# KiCad board M3DU_BoardV3_2.kicad_pcb (continued)
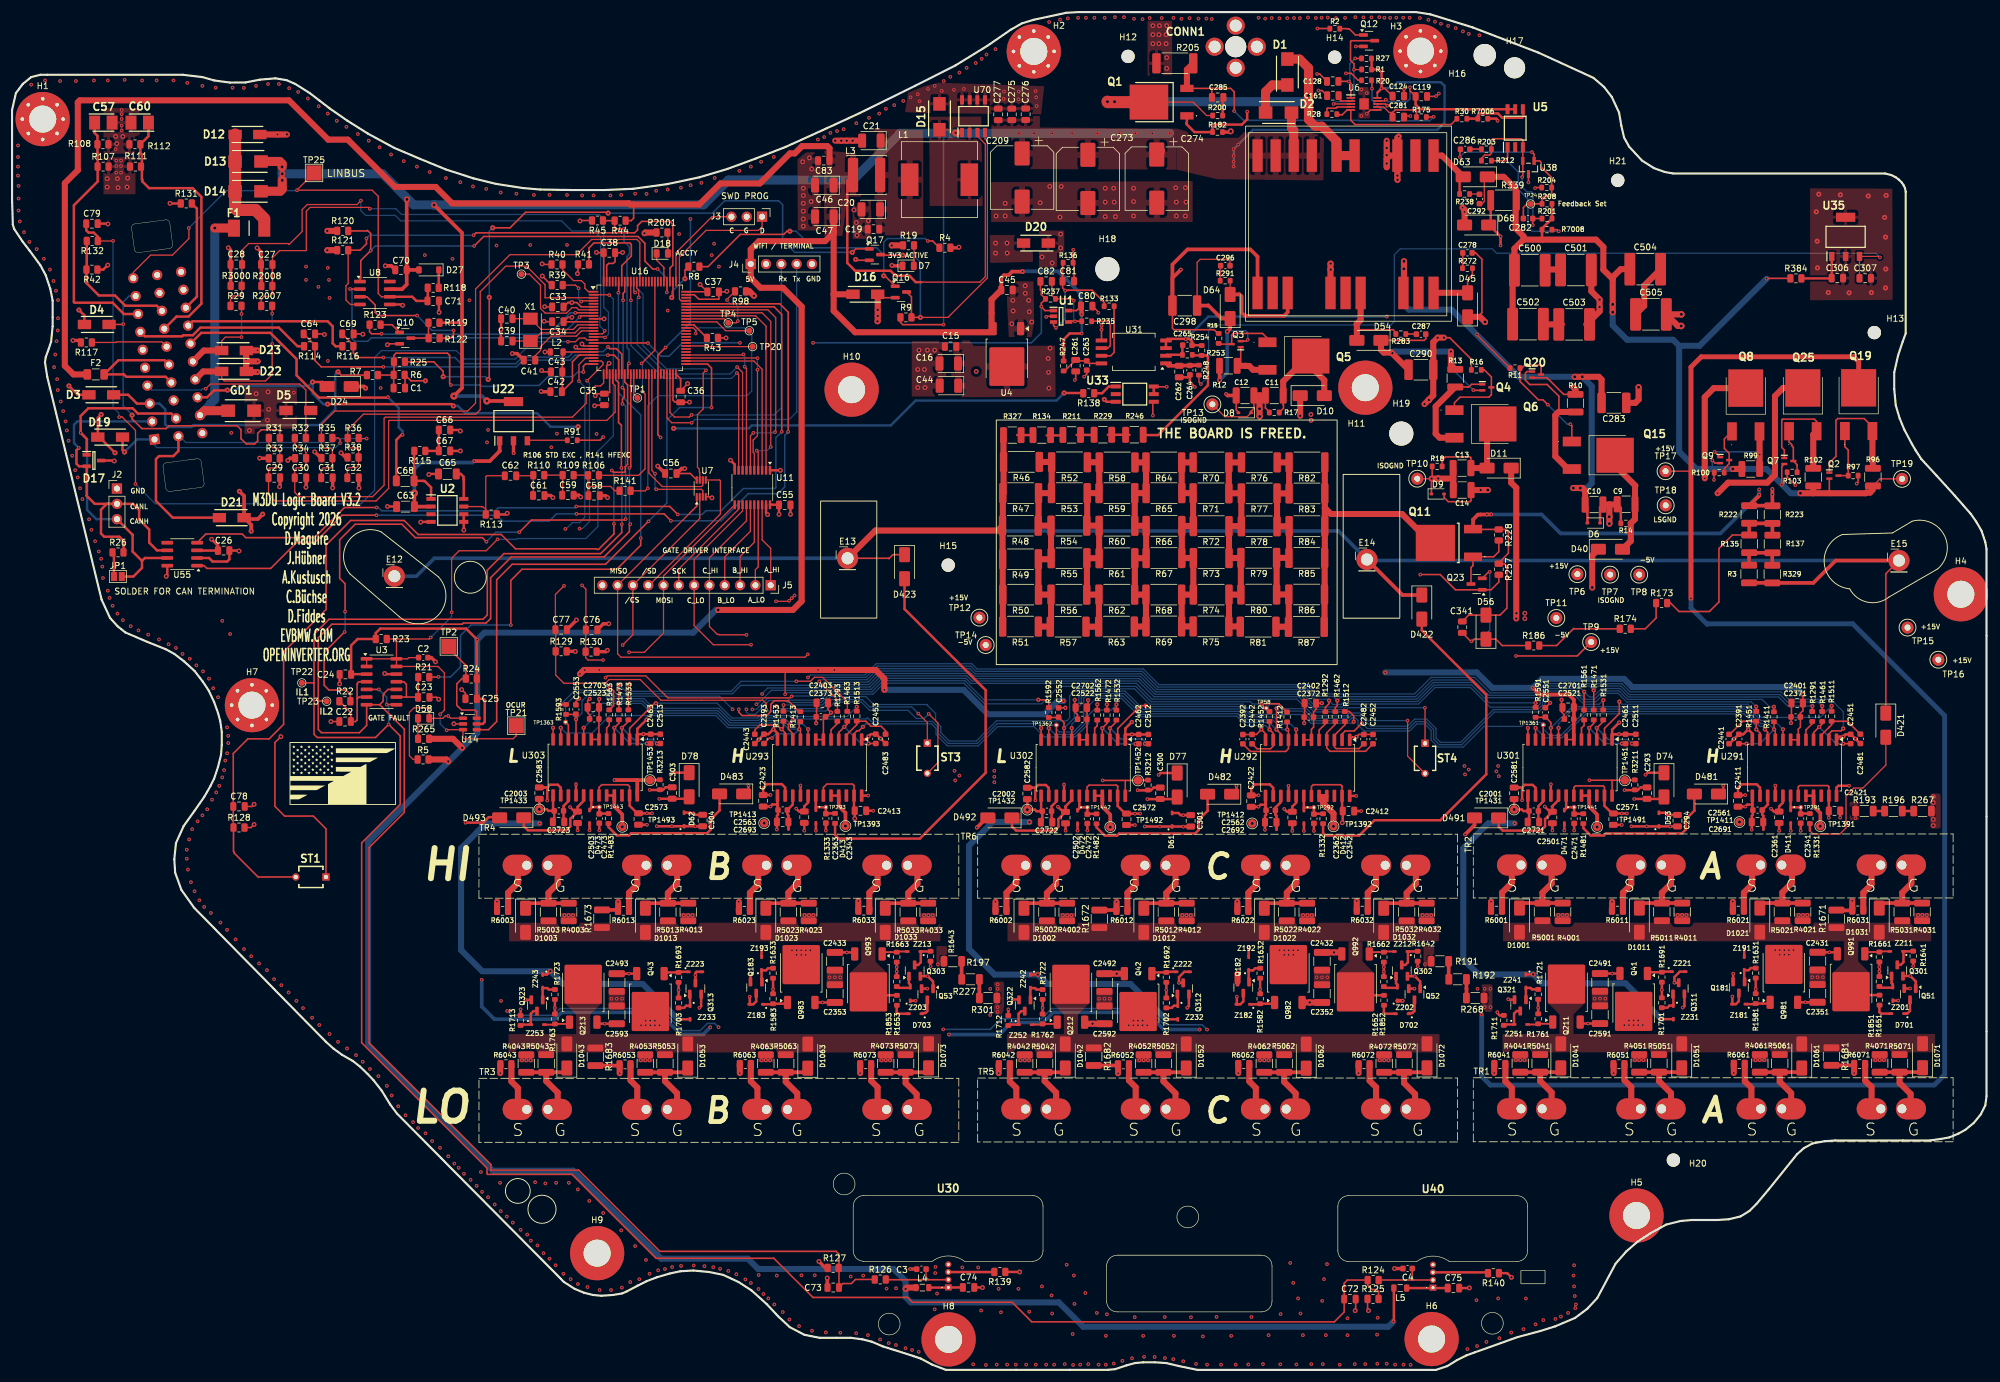
[diagram p0: board, top side]
## Routing (per net, layer and track width the routed paths; a pad name or vN(x,y) marks a point on that pad's centre or on a via; arc(x,y) is an arc through that point) (continued)
Net-(R134-Pad1): length 2.6
  Top w0.4: 169.34,155.2 166.78,155.2
Net-(R134-Pad2): length 2.6
  Top w0.4: 174.28,155.15 171.68,155.15
Net-(R135-Pad1): length 32.4
  Top w0.25: R135.1 285.45,138.61 283.2,136.36 283.2,127.49 281.63,125.91 276.58,125.91 275.18,127.31 R173.2
  Top w0.6: R137.1 R223.2 288.26,140.53 ; R135.1 R222.2
Net-(R135-Pad2): length 7.9
  Top w0.6: R329.1 292.06,135.63 ; R137.2 288.26,135.66 ; R3.1 288.21,135.66
Net-(R173-Pad1): length 7.4
  Top w0.25: R173.1 272.79,124.85 270.98,123.04 R174.2
Net-(R174-Pad1): length 14.6
  Top w0.25: R186.2 256.28,120.26 259.1,123.09 259.15,123.04 R174.1
Net-(R191-Pad2): length 3
  Top w0.6: R191.2 238.37,64.87
Net-(R192-Pad2): length 3.1
  Top w0.6: 241.33,61.76 241.33,63.27 241.32,63.28 R192.2
Net-(R193-Pad2): length 1.9
  Top w0.4: R196.1 R193.2
Net-(R196-Pad2): length 1.9
  Top w0.4: R267.1 R196.2
Net-(R197-Pad2): length 3
  Top w0.6: R197.2 157.55,64.87
Net-(R211-Pad2): length 2.9
  Top w0.4: 179.51,155.22 176.64,155.22
Net-(R227-Pad2): length 3.1
  Top w0.6: 160.5,61.76 160.5,63.27 160.49,63.28 R227.2
Net-(R229-Pad1): length 3.6
  Top w0.4: 181.82,155.25 185.39,155.25
Net-(R246-Pad1): length 21.4
  Top w0.4: 195.93,168.42 R254.1 198.16,168.42 198.43,168.15 198.43,163.48 190.15,155.2 187.73,155.2
Net-(TR1-Source1): length 8.5
  Top w0.6: 248.85,44.81 250.32,43.33
  Top w1: 248.85,44.81 248.85,46.84 247.78,47.91 R6041.2
Net-(TR1-Source2): length 8.5
  Top w0.6: 268.66,44.86 270.18,43.33
  Top w1: 268.66,44.86 268.66,46.96 267.54,48.08 R6051.2
Net-(TR1-Source3): length 8.6
  Top w0.6: 288.6,44.86 290.12,43.33
  Top w1: 288.6,44.86 288.6,46.84 287.5,47.93 R6061.2
Net-(TR1-Source4): length 8.5
  Top w0.6: 308.54,44.86 310.06,43.33
  Top w1: R6071.2 307.47,48.03 308.54,46.96 308.54,44.86
Net-(TR2-Source1): length 8.9
  Top w0.6: 248.85,82.28 250.37,83.81
  Top w1: 248.85,82.28 248.85,80.87 247.22,79.25 R6001.2
Net-(TR2-Source2): length 8.8
  Top w0.6: 268.66,82.28 270.18,83.81
  Top w1: 268.66,82.28 268.66,80.62 267.28,79.25 R6011.2
Net-(TR2-Source3): length 6.7
  Top w1: R6021.2 287.35,79.25 288.72,80.62 288.72,82.41
Net-(TR2-Source4): length 8.7
  Top w0.6: 308.54,82.28 310.06,83.81
  Top w1: R6031.2 307.16,79.25 308.54,80.62 308.54,82.28
Net-(TR3-Source1): length 8.5
  Top w0.6: 83.92,44.78 85.4,43.31
  Top w1: 83.92,44.78 83.92,46.81 82.85,47.88 R6043.2
Net-(TR3-Source2): length 8.5
  Top w0.6: 103.74,44.83 105.26,43.31
  Top w1: R6053.2 102.62,48.06 103.74,46.94 103.74,44.83
Net-(TR3-Source3): length 8.6
  Top w0.6: 123.67,44.83 125.2,43.31
  Top w1: 123.67,44.83 123.67,46.81 122.58,47.91 R6063.2
Net-(TR3-Source4): length 8.5
  Top w0.6: 143.61,44.83 145.14,43.31
  Top w1: 143.61,44.83 143.61,46.94 142.54,48.01 R6073.2
Net-(TR4-Source1): length 8.9
  Top w0.6: 83.92,82.26 85.45,83.78
  Top w1: R6003.2 82.3,79.22 83.92,80.85 83.92,82.26
Net-(TR4-Source2): length 8.8
  Top w0.6: 103.74,82.26 105.26,83.78
  Top w1: R6013.2 102.36,79.22 103.74,80.59 103.74,82.26
Net-(TR4-Source3): length 6.7
  Top w1: R6023.2 122.43,79.22 123.8,80.59 123.8,82.38
Net-(TR4-Source4): length 8.7
  Top w0.6: 143.61,82.26 145.14,83.78
  Top w1: 143.61,82.26 143.61,80.59 142.24,79.22 R6033.2
Net-(TR5-Source1): length 8.5
  Top w0.6: 166.63,44.78 168.1,43.31
  Top w1: R6042.2 165.56,47.88 166.63,46.81 166.63,44.78
Net-(TR5-Source2): length 8.5
  Top w0.6: 186.44,44.83 187.96,43.31
  Top w1: R6052.2 185.32,48.06 186.44,46.94 186.44,44.83
Net-(TR5-Source3): length 8.6
  Top w0.6: 206.38,44.83 207.9,43.31
  Top w1: 206.38,44.83 206.38,46.81 205.28,47.91 R6062.2
Net-(TR5-Source4): length 8.5
  Top w0.6: 226.32,44.83 227.84,43.31
  Top w1: R6072.2 225.25,48.01 226.32,46.94 226.32,44.83
Net-(TR6-Source1): length 8.9
  Top w0.6: 166.63,82.26 TR6.1
  Top w1: 166.63,82.26 166.63,80.85 165,79.22 R6002.2
Net-(TR6-Source2): length 8.8
  Top w0.6: 186.44,82.26 TR6.3
  Top w1: 186.44,82.26 186.44,80.59 185.06,79.22 R6012.2
Net-(TR6-Source3): length 6.7
  Top w1: 206.5,82.38 206.5,80.59 205.13,79.22 R6022.2
Net-(TR6-Source4): length 8.7
  Top w0.6: 226.32,82.26 TR6.7
  Top w1: R6032.2 224.94,79.22 226.32,80.59 226.32,82.26
Net-(U1-+IN): length 20.6
  Top w0.25: U1.3 172.81,173.4 v2(173.21,173) ; 174.31,183.72 C81.1 174.31,179.62 174.71,179.22 175.23,179.22 175.26,179.25 179.18,179.25 181.21,177.22 R133.1
  Bottom w0.25: v2(174.73,179.2) 174.73,174.52 v2(173.21,173)
Net-(U1--IN): length 11.9
  Top w0.2: C82.2 172.53,178.41 R237.2 173.14,177.82 175.86,177.82 v2(176.16,177.52)
  Top w0.25: R235.1 175.43,174.1
  Bottom w0.2: v2(176.16,177.52) 176.16,174.3 v2(176.38,174.07)
Net-(U2-INPUT-(1)_1): length 14.2
  Top w0.2: C62.2 78.76,148.45 78.59,148.28 R113.2 78.59,142.83 78.13,143.3 77.96,143.3 77.92,143.33 U2.7
Net-(U2-INPUT-(1)_2): length 5.1
  Top w0.4: C65.2 74.46,148.75 74.91,148.3 74.91,147.85 74.94,147.81 U2.8
Net-(U2-OUTPUT(1)): length 10.1
  Top w0.4: 66.71,152.53 C68.1 68.18,147.6 68.21,147.57 68.46,147.57 69.52,146.51 U2.1
Net-(U2-SUPPLY_VOLTAGE): length 26.1
  Top w0.6: v7(66.76,145.57) C63.2 69.51,143.32 ; U22.1 80.9,152.59 80.93,152.56 79.25,150.89 v2(76.68,150.89)
  Bottom w0.6: v7(66.76,145.57) 66.76,149.56 67.83,150.64 76.43,150.64 v2(76.68,150.89)
Net-(U3A--): length 14.8
  Top w0.25: U3.6 57.59,111.71 57.26,111.37 ; 57.26,111.37 57.26,107.9 57.01,107.65 C22.1 56.21,109.12 R22.1 ; 57.26,111.37 57.26,113.8 57.31,113.85 57.31,114.02 57.53,114.25 U3.4
Net-(U3C-+): length 10.8
  Top w0.25: U3.11 65.01,114.25 65.43,113.82 65.43,111.71 ; R21.1 67.39,111.71 ; 65.43,111.71 U3.9 ; 65.43,111.71 67.32,111.71
Net-(U5-ANODE_+): length 24
  Top w0.25: U5.1 248.14,201.25 247.63,200.75 R212.1 ; v2(256.63,189.02) 256.36,189.3 R7008.2
  Bottom w0.25: v2(256.63,189.02) 252.23,189.02 251.53,189.72 251.53,194.37 249.93,195.97 249.93,198.85 v2(247.83,200.95)
Net-(U5-GND): length 11.6
  Top w0.4: R30.2 R7006.1 243.21,208.2 243.61,208.6 246.53,208.6 247.26,207.87 250.56,207.87 250.73,208.05 250.73,209.24
Net-(U5-V0): length 27.9
  Top w0.25: C119.1 231.96,212.35 v2(231.96,212.95) ; v2(227.93,210.87) 227.73,210.67 U6.9
  Top w0.4: U5.5 U5.6 233.66,209.3 232.88,210.07 C119.1
  Bottom w0.25: v2(227.93,210.87) 228.26,210.55 231.48,210.55 231.96,211.02 v2(231.96,212.95)
Net-(U6-COMP): length 4.7
  Top w0.25: U6.4 219.88,209.67 219.68,209.47 218.26,209.47 218.16,209.37 218.16,208.8
Net-(U6-FB): length 22.9
  Top w0.25: 219.81,208.8 220.23,208.37 220.71,208.37 221.51,209.17 U6.5 222.13,207.45 222.83,206.75 238.76,206.75 R30.1
Net-(U6-GDRV): length 8.3
  Top w0.25: U6.8 227.88,210.17 228.16,209.89 v2(228.2,209.89) ; v2(225.63,212.72) 225.63,214.02
  Bottom w0.25: v2(225.63,212.72) 225.66,212.7 225.66,210.8 226.98,209.47 227.78,209.47 v2(228.2,209.89)
Net-(U6-ISNS): length 8.9
  Top w0.2: C281.1 229.06,208.75 229.08,208.77 228.47,208.77 227.57,209.67 U6.7
  Top w0.25: 229.08,208.77 229.48,209.17 232.91,209.17 233.01,209.07 R175.1
Net-(U6-RC): length 9.9
  Top w0.25: C128.1 221.81,213.92 v2(221.81,213.9) 221.83,213.9 222.13,213.6 U6.1 ; v2(222.86,217.72) 223.91,217.72
  Bottom w0.25: v2(221.81,213.9) 221.98,214.07 221.98,216.87 222.83,217.72 v2(222.86,217.72)
Net-(U6-SS): length 2.2
  Top w0.25: 220.11,211.07 220.53,210.65 220.56,210.67 U6.2
Net-(U8-~{WAKE}): length 21.8
  Top w0.25: U8.3 58.9,178.15 60.26,176.8 60.26,175.57 60.78,175.05 v2(67.21,175.05) ; R122.2 72.68,171.3 73.26,171.87 v2(73.26,172.57)
  Bottom w0.25: v2(73.26,172.57) 69.68,172.57 v2(67.21,175.05)
Net-(U16-BOOT0): length 17
  Top w0.25: U16.94 101.16,183.32 102.76,184.92 102.76,186.82 102.48,187.1 96.56,187.1 95.72,186.26 R41.2
Net-(U16-NRST): length 12.5
  Top w0.2: U16.14 94.48,172.5 93.61,171.62 89.43,171.62 87.68,169.87 87.68,169.25 86.8,168.37 C41.2
Net-(U16-OSC_IN): length 14.5
  Top w0.2: U16.12 93.86,173.5 93.11,172.75 87.78,172.75 X1.2 ; C40.2 86,174.52
Net-(U16-OSC_OUT): length 13.9
  Top w0.2: U16.13 94.23,173 93.41,172.17 87.77,172.17 86.42,170.82 ; X1.1 83.05,170.82
Net-(U16-PC5): length 29.6
  Top w0.25: v2(101.53,189.45) 100.06,189.45 99.98,189.52 R44.2 98.07,190.8 ; v2(102.36,167.1) 102.16,166.9 U16.34
  Bottom w0.25: v2(101.53,189.45) 101.53,187.35 102.43,186.45 102.43,185.25 102.03,184.85 102.03,169.72 102.36,169.4 v2(102.36,167.1)
Net-(U16-PD10): length 11.1
  Top w0.2: U16.57 115.27,170 115.38,169.89 TP20.1
Net-(U22-IN): length 6.5
  Top w0.2: R91.1 85.58,154.34
Net-(U30-OUT): length 12.3
  Top w0.2: C3.1 151.65,15.41 152.08,14.99
  Top w0.25: 145,14.99 U30.2
Net-(U30-TEST_): length 7.6
  Top w0.4: U30.3 162.97,16.26
Net-(U30-VDD): length 5.6
  Top w0.4: C74.1 155.37,13.7 ; L4.2 155.3,13.67
Net-(U31-IN): length 4.2
  Top w0.4: 194.18,169.92 R253.1 191.61,168.52 U31.2
Net-(U31-OUT+): length 10
  Top w0.25: R133.2 182.86,168.92 182.3,168.37 U31.7
Net-(U31-OUT-): length 8.5
  Top w0.25: U31.6 181.82,169.64 182.23,170.05 182.23,173.52 181.66,174.1 R235.2
Net-(U31-VDD1): length 5.5
  Top w0.6: C264.1 193.71,166.75 ; C262.2 191.86,166.7 U31.1 ; R248.1 195.48,166.8
Net-(U31-VDD2): length 6.9
  Top w0.25: C261.1 174.66,165.85 ; U31.8 178.73,167.1 C263.2 176.63,167.52
Net-(U33-ANODE_+): length 4
  Top w0.4: U33.1 181.98,163.27 180.86,162.15 R138.1
Net-(U35-VI): length 8.6
  Top w0.4: U35.1 301.93,181.29 C306.1 301.85,181.21 R384.2
Net-(U38-CATHODE): length 27.9
  Top w0.25: v2(250.56,198.02) 250.67,198.13 U38.2 250.67,202.99 ; U5.3 250.68,204.13 250.41,204.4 245.76,204.4 245.46,204.1 R203.2 245.46,201.97 245.18,201.7 244.36,201.7 243.81,201.15 R212.2 ; R201.1 252.31,191.15 252.31,190.07 v2(252.33,190.05)
  Bottom w0.25: v2(252.33,190.05) 252.33,195.35 252.11,195.57 251.36,195.57 250.56,196.37 v2(250.56,198.02)
Net-(U38-REF): length 30.4
  Top w0.25: C282.1 250.76,192.97 251.38,193.6 R208.1 253.86,194.5 254.18,194.82 255.16,194.82 255.48,195.15 255.46,195.17 R204.2 255.46,197.95 253.73,199.67 253.73,200.45 253.46,200.71 U38.1 252.55,201.81 v2(252.18,202.17) ; v2(240.23,201.37) 240.23,202.55
  Bottom w0.25: v2(240.23,201.37) 241.03,202.17 v2(252.18,202.17)
Net-(U40-OUT): length 11
  Top w0.25: 232.53,14.94 226.77,14.94 ; 232.53,14.94 232.33,15.14 C4.1 ; 232.53,14.94 U40.2
Net-(U40-TEST_): length 9
  Top w0.4: U40.3 244.75,16.21
Net-(U40-VDD): length 6.7
  Top w0.4: L5.2 235.69,13.6 ; C75.1 235.83,13.6
Net-(U291-CK): length 3.5
  Top w0.25: R1291.1 298.68,107.29 297.64,106.25 U291.5
Net-(U291-GOFF): length 62.6
  Top w0.4: U291.20 U291.21 ; Z191.2 v2(287.4,70.23) ; v2(312.95,61.32) 312.07,61.32
  Top w0.6: v5(300.03,90.27) 300.03,92.46 298.91,93.57 U291.21
  In1.Cu w1: v2(287.4,70.23) 289.84,72.67 299.96,72.67 ; v5(300.03,90.27) 301.42,88.88 301.42,78 299.96,76.54 299.96,67.12 305.76,61.32 v2(312.95,61.32)
Net-(U291-IN+): length 50.7
  Top w0.25: U301.8 v3(256.59,106.58) ; 292.36,107.58 v3(292.36,106.35) 292.56,106.15 U291.9 ; v3(287.78,103.96) 286.53,103.96
  Bottom w0.2: v3(256.59,106.58) 256.59,107.28 259.03,109.71 287.71,109.71 290.11,107.31 291.39,107.31 v3(292.36,106.35)
  Bottom w0.25: v3(292.36,106.35) 292.36,106.33 289.99,103.96 v3(287.78,103.96)
Net-(U291-IN-/DIAG2): length 49
  Top w0.25: U301.9 v3(255.32,106.58) 255.32,107.48 C2551.1 ; R1591.1 254.36,108.34 ; U291.8 v3(293.83,106.35)
  Bottom w0.2: v3(255.32,106.58) 258.86,110.11 287.87,110.11 290.16,107.82 292.36,107.82 v3(293.83,106.35)
Net-(U291-SDI): length 8.7
  Top w0.25: 300.18,105.37 301.42,106.62 301.42,106.68 301.49,106.68 301.91,107.1 R1511.1 304.53,107.68 306.67,105.55
Net-(U291-VREGISO): length 7.3
  Top w0.4: 290.58,90.94 290.58,89.69 290.58,92.02 290.39,92.21 C2561.2 291.29,93.84 U291.15
Net-(U291-~{CS}): length 10
  Top w0.25: U291.4 298.91,105.8 v3(299.84,106.74) 300.33,107.22 R1461.1 ; v3(303.84,103.96) 303.85,103.97 C2451.1
  Bottom w0.25: v3(303.84,103.96) 302.62,103.96 v3(299.84,106.74)
Net-(U291-~{SD}): length 50.9
  Top w0.25: U301.11 v3(252.78,106.58) ; 284.99,105.51 287.16,107.68 R1451.1 v3(289.41,106.35) 290.02,105.74 U291.11
  Bottom w0.2: v3(252.78,106.58) 254.43,104.93 257.15,104.93 261.14,108.91 287.38,108.91 289.41,106.88 v3(289.41,106.35)
Net-(U292-CK): length 3.5
  Top w0.25: R1292.1 217.91,107.26 216.87,106.22 216.87,104.6
Net-(U292-GOFF): length 62.5
  Top w0.4: Z192.2 v2(205.18,70.21)
  Top w0.6: v2(230.74,61.29) 229.85,61.29 Z202.1 ; U292.21 U292.20
  Top w1: 217.5,95.05 217.5,94.13 219.25,92.38 v5(219.25,90.25)
  In1.Cu w1: v2(230.74,61.29) 223.57,61.29 217.68,67.18 217.68,75.9 219.79,78 219.79,89.71 v5(219.25,90.25) ; 217.68,72.64 207.62,72.64 v2(205.18,70.21)
Net-(U292-IN+): length 57.5
  Top w0.25: 211.58,107.56 v3(211.58,106.32) 211.79,106.12 211.79,103.15 211.31,102.67 205.48,102.67 C2392.1 ; U302.8 v3(175.82,106.55)
  Bottom w0.2: v3(211.58,106.32) 210.78,106.32 209.15,107.96 205.02,107.96 203.64,109.33 188.62,109.33 188.52,109.24 187.56,109.24 184.52,112.28 178,112.28 177.4,111.69 177.4,110.52 176.7,109.82 176.7,108.07 175.82,107.19 v3(175.82,106.55)
Net-(U292-IN-/DIAG2): length 52.8
  Top w0.25: 213.06,104.6 v3(213.06,106.32) ; R1592.1 173.59,108.32 ; U302.9 v3(174.55,106.55) 174.55,107.45 C2552.1
  Bottom w0.2: v3(213.06,106.32) 212.14,107.24 210.54,107.24 209.37,108.41 205.21,108.41 203.88,109.73 188.46,109.73 188.36,109.64 187.73,109.64 184.68,112.68 177.83,112.68 177,111.85 177,110.76 176.25,110.01 176.25,108.25 v3(174.55,106.55)
Net-(U292-SDI): length 9.5
  Top w0.25: 219.41,105.35 221.13,107.07 R1512.1 ; 219.41,104.6 219.41,103.45 219.71,103.15 223.48,103.15 C2482.1
Net-(U292-VREGISO): length 7.3
  Top w0.4: U292.15 210.52,94.26 209.62,93.36 C2562.2 209.62,92.19 209.81,92 209.81,89.66 209.81,90.92
Net-(U292-~{CS}): length 13.4
  Top w0.25: C2452.1 224.56,102.7 218.69,102.7 218.14,103.25 218.14,105.78 219.56,107.2 R1462.1
Net-(U292-~{SD}): length 53.5
  Top w0.25: U302.11 v3(172.01,106.55) ; R1452.1 v3(208.64,106.32) 209.25,105.71 209.25,103.57 208.8,103.12 206.57,103.12 C2442.1
  Bottom w0.2: v3(172.01,106.55) 173.07,105.49 176.24,105.49 178.2,107.45 178.2,109.82 179.86,111.48 184.09,111.48 187.14,108.44 188.85,108.44 188.95,108.53 203.2,108.53 204.76,106.97 207.99,106.97 v3(208.64,106.32)
Net-(U293-CK): length 3.5
  Top w0.25: R1293.1 136.93,107.31 135.89,106.27 U293.5
Net-(U293-GOFF): length 62
  Top w0.4: Z193.2 v2(124.36,70.21) ; v2(149.91,61.29) 149.03,61.29 ; U293.20 U293.21
  Top w0.6: U293.21 137.16,93.6 138.28,92.48 v5(138.28,90.3)
  In1.Cu w1: 136.93,72.72 126.87,72.72 v2(124.36,70.21) ; v2(149.91,61.29) 142.85,61.29 136.93,67.21 136.93,78.03 138.28,79.38 v5(138.28,90.3)
Net-(U293-IN+): length 51.8
  Top w0.25: v2(126.09,104.9) 125.67,104.9 C2393.1 ; U293.9 130.81,106.17 v3(130.61,106.37) 130.61,107.46 ; U303.8 v3(94.85,106.6)
  Bottom w0.2: v3(130.61,106.37) 128.91,106.37 127.86,107.42 124.59,107.42 124.19,107.03 118.96,107.03 116.94,109.04 106.07,109.04 104.46,110.66 97.91,110.66 95.86,108.61 95.86,107.62 v3(94.85,106.6)
  Bottom w0.25: v2(126.09,104.9) 126.77,105.59 129.82,105.59 v3(130.61,106.37)
Net-(U293-IN-/DIAG2): length 51.5
  Top w0.25: U293.8 v3(132.08,106.37) ; R1593.1 93.5,108.83 ; 93.58,108.83 v3(93.58,108.05) U303.9
  Bottom w0.2: v3(132.08,106.37) 131.27,107.19 128.66,107.19 128.02,107.82 124.42,107.82 124.03,107.43 119.12,107.43 117.11,109.44 106.24,109.44 104.62,111.06 99.31,111.06 98.31,112.05 95.57,112.05 94.71,111.2 94.71,111.19 94.57,111.04 94.57,109.04 v3(93.58,108.05)
Net-(U293-SDI): length 9
  Top w0.25: 138.43,105.4 140.16,107.12 R1513.1 141.65,107.71 142.5,106.86 144.2,106.86 144.93,106.12 C2483.1
Net-(U293-VREGISO): length 7.3
  Top w0.4: U293.15 129.54,93.86 C2563.2 128.64,92.24 128.83,92.05 128.83,89.71 128.83,90.97
Net-(U293-~{CS}): length 10
  Top w0.25: C2453.1 142.13,104 v3(142.11,103.99) ; U293.4 137.16,105.83 v3(138.1,106.76) 138.58,107.25 R1463.1
  Bottom w0.25: v3(138.1,106.76) 140.87,103.99 v3(142.11,103.99)
Net-(U293-~{SD}): length 50.5
  Top w0.25: v3(127.66,106.37) 128.27,105.76 U293.11 ; v3(127.66,106.37) 126.99,107.05 124.04,107.05 123.24,106.25 C2443.1 ; v3(127.66,106.37) 127.99,106.7 R1453.1 ; U303.11 v3(91.04,106.6)
  Bottom w0.2: v3(127.66,106.37) 127.01,107.02 124.75,107.02 124.36,106.63 118.77,106.63 116.76,108.64 99.17,108.64 96.27,105.74 91.9,105.74 v3(91.04,106.6)
Net-(U301-CK): length 3.5
  Top w0.25: U301.5 260.4,106.58 260.43,106.58 260.83,106.98 R1561.1
Net-(U301-GOFF): length 89.7
  Top w0.4: Z241.1 252.39,65.67 v1(252.4,65.66) ; v2(273.74,58.24) 275.63,58.24 ; U301.21 U301.20
  Top w0.6: v5(262.99,90.14) 262.99,92.2 ; 262.92,92.28 261.67,93.52 U301.21
  In1.Cu w1: v3(249.33,90.75) 262.38,90.75 v5(262.99,90.14)
  Bottom w1: v2(273.74,58.24) 273.66,58.24 267.72,64.19 253.87,64.19 v1(252.4,65.66) 243.31,65.66 240.79,68.17 240.79,86.61 244.93,90.75 v3(249.33,90.75)
Net-(U301-SDI): length 10.4
  Top w0.25: 264.01,107.65 v3(262.94,106.58) U301.3
  Bottom w0.25: v3(262.94,106.58) 264.86,104.66 268.11,104.66 v3(268.78,103.99)
Net-(U301-SDO): length 45.3
  Top w0.25: U301.2 264.21,106.5 266.68,108.97 v3(266.68,110.95) ; v3(301.91,110.24) 301.91,110.24 R1511.2
  Bottom w0.2: v3(266.68,110.95) 267.11,110.51 288.04,110.51 290.22,108.33 300,108.33 v3(301.91,110.24)
Net-(U301-VREGISO): length 4.6
  Top w0.4: U301.15 254.05,94.4 253.25,93.6 C2001.2 253.25,91.08
Net-(U301-~{CS}): length 10.1
  Top w0.25: U301.4 v3(261.67,106.58) 262.44,107.34 R1471.1
  Bottom w0.25: v3(261.67,106.58) 264.26,103.99 v3(267.11,103.99)
Net-(U302-CK): length 3.5
  Top w0.25: R1562.1 180.06,106.96 179.66,106.55 179.63,106.55 U302.5
Net-(U302-GOFF): length 90.2
  Top w0.4: U302.21 U302.20 ; v2(191.52,58.22) 193.42,58.22 ; v1(170.18,65.63) 170.17,65.64 Z242.1
  Top w0.6: 182.14,92.25 180.9,93.5 U302.21 ; v5(182.22,90.12) 182.22,92.18
  In1.Cu w1: v1(168.81,90.96) 181.38,90.96 v5(182.22,90.12)
  Bottom w1: v1(168.81,90.96) 162.69,90.96 158.78,87.05 158.78,69.88 163.02,65.63 v1(170.18,65.63) 171.73,64.08 185.57,64.08 191.44,58.22 v2(191.52,58.22)
Net-(U302-SDI): length 10.5
  Top w0.25: 183.24,107.62 v3(182.17,106.55) U302.3
  Bottom w0.25: v3(187.97,103.94) 187.97,104.3 187.52,104.75 183.97,104.75 v3(182.17,106.55)
Net-(U302-SDO): length 46.7
  Top w0.25: v3(188.09,110.29) 187.25,110.29 183.44,106.48 U302.2 ; R1512.2 221.88,109.31 222.61,108.59 v3(222.61,107.59)
  Bottom w0.2: v3(222.61,107.59) 222.38,107.36 215.5,107.36 214.05,108.81 205.37,108.81 204.05,110.13 188.24,110.13 v3(188.09,110.29)
Net-(U302-VREGISO): length 4.6
  Top w0.4: 172.48,91.06 172.48,93.57 173.28,94.37 U302.15
Net-(U302-~{CS}): length 10.1
  Top w0.25: U302.4 v3(180.9,106.55) 181.66,107.31 R1472.1
  Bottom w0.25: v3(186.39,103.94) 183.52,103.94 v3(180.9,106.55)
Net-(U303-CK): length 3.5
  Top w0.25: U303.5 98.66,106.6 98.68,106.6 99.09,107.01 R1563.1
Net-(U303-GOFF): length 96.8
  Top w0.4: v1(89.31,66.19) 88.76,65.64 Z243.1 ; U303.21 U303.20 ; v2(110.59,58.22) 112.49,58.22
  Top w0.6: U303.21 99.93,93.55 101.17,92.3 ; v5(101.25,90.17) 101.25,92.23
  In1.Cu w1: v3(87.53,90.73) 100.69,90.73 v5(101.25,90.17)
  Bottom w1: v3(87.53,90.73) 78.61,90.73 77.91,90.02 77.91,90.01 77.32,89.43 77.31,89.43 74.5,86.61 74.5,69.7 78,66.19 v1(89.31,66.19) 91.42,64.08 104.62,64.08 110.49,58.22 v2(110.59,58.22)
Net-(U303-SDI): length 10.3
  Top w0.25: 102.26,107.67 v3(101.2,106.6) U303.3
  Bottom w0.25: v3(101.2,106.6) 103.13,104.66 106.31,104.66 v3(107,103.98)
Net-(U303-SDO): length 43.9
  Top w0.25: U303.2 102.47,106.53 106.63,110.69 v3(106.83,110.69) ; v3(140.16,110.08) R1513.2
  Bottom w0.2: v3(140.16,110.08) 138.55,108.48 129.86,108.48 129.71,108.62 124.09,108.62 123.7,108.23 119.45,108.23 116.99,110.69 v3(106.83,110.69)
Net-(U303-VREGISO): length 4.6
  Top w0.4: U303.15 92.31,94.42 91.51,93.62 C2003.2 91.51,91.11
Net-(U303-~{CS}): length 10.1
  Top w0.25: R1473.1 100.69,107.36 v3(99.93,106.6) U303.4
  Bottom w0.25: v3(105.34,103.99) 102.54,103.99 v3(99.93,106.6)

## Copper pours and planes (outline as drawn; the poured copper is in the pictures)
+3V3 on Top: 15.11,201.27 20.48,201.37 20.48,195.17 15.18,195.17
+3V3 on Top: 170.38,189.17 170.38,183.07 173.38,183.07 173.38,185.47 174.58,185.47 174.58,189.17
+3V3 on Top: 158.88,170.9 159.58,169.99 173.06,170.03 173.16,161.53 155.88,161.49 155.75,170.9
+3V3 on In1.Cu: -1.54,217.05 -2.17,181.52 15.58,103.17 109.93,103.5 109.93,115.07 117.81,124.75 132.38,124.6 132.53,155.82 148.26,160.85 185.43,160.82 185.56,180.25 185.08,189.32 142.21,188.4 132.13,216.75
+5V on Top: 134.78,202.37 134.68,198.67 134.78,188.17 137.78,188.27 138.58,194.77 140.88,194.77 140.88,201.87 134.78,202.47
+12V on Top: 193.28,206.07 194.98,205.57 195.68,204.57 196.58,204.47 203.48,204.57 204.38,205.47 216.08,205.37 217.68,204.37 217.58,197.47 200.08,197.67 197.78,198.17 193.18,199.27
+12V on Top: 162.48,208.19 170.53,208.16 170.58,204.51 162.5,204.66
+12V on Top: 165.78,206.77 165.68,199.37 193.18,199.27 193.28,206.07 169.88,206.27 165.78,206.27
/5Vunfil on Top: 142.98,206.07 143.18,188.27 151.18,188.47 151.18,205.87
/GND_ISO_A on Top: 298.22,66.04 300.92,66.04 300.92,64.34 298.22,64.34
/GND_ISO_A on In1.Cu, In2.Cu: 244.13,72 247.81,70.51 283.02,70.51 284.54,68.99 284.54,60.1 286.88,57.76 315.6,57.76 318.88,61.04 318.88,86.56 314.77,90.68 314.77,108.89 309.08,108.89 309.1,97.64 309.59,98.12 284.46,98.12 283.12,96.77 283.12,87.4 281.21,86.15 247.99,86.25 244.09,84.19
/GND_ISO_A on In2.Cu: 314.77,108.89 303.96,119.76 278.26,119.76 271.13,126.61 271.23,132.54 271.08,164.66 262.26,165.76 249.33,167.31 246.01,170.74 243.53,186.44 229.48,186.39 229.33,175.06 239.16,175.06 239.16,172.04 242.33,170.14 244.83,167.26 254.56,159.24 254.73,132.14 272.58,116.37 301.86,116.31 309.98,108.76
/GND_ISO_B on Top: 135.18,66.01 137.87,66.01 137.87,64.31 135.18,64.31
/GND_ISO_B on In1.Cu: 155.95,97.14 155.88,125.4 157.83,127.27 189.73,127.1 211.43,148.47 211.41,157.05 198.71,157.17 198.76,172.27 190.88,172.35 190.93,183.05 194.66,187.27 213.73,187.2 213.73,172.87 219.46,172.75 219.51,157.3 217.21,153.87 217.16,147.02 191.23,120.8 164.26,120.78 163.24,119.75 163.21,97.18
/GND_ISO_B on In1.Cu, In2.Cu: 79.55,72.11 80.9,70.76 116.87,70.76 118.62,69.01 118.61,59.9 120.68,57.84 151.45,57.84 154.47,60.91 155.31,89.62 163.48,97.47 163.31,100.31 155.92,100.38 155.92,97.35 152.71,94.06 149.48,94.05 144.5,98.15 120.27,98.15 119.13,97 119.13,87.78 116.92,85.57 81.84,85.57 79.55,83.29
/GND_ISO_C on Top: 216,66.01 218.7,66.01 218.7,64.31 216,64.31
/GND_ISO_C on In1.Cu: 240.58,98.27 240.62,115.54 247.68,122.72 247.66,139.45 246.38,142.77 235.51,142.85 232.38,145.82 230.01,161.17 229.41,168 220.81,168.07 220.81,175.55 217.28,175.62 217.33,186.3 225.96,186.22 226.03,174.02 238.33,174.1 238.51,171.27 252.76,158.92 252.81,115.81 247.08,109.17 247.08,98.21
/GND_ISO_C on In1.Cu, In2.Cu: 162.36,72.39 164.09,70.66 199.04,70.66 200.71,68.99 200.71,66.18 201.63,65.18 201.63,63.14 200.74,62.26 200.74,58.98 201.8,57.91 235.13,57.91 236.7,59.49 236.7,62.92 235.41,64.21 235.41,65.25 237.11,66.55 237.13,88.57 247.14,98.31 247.14,100.73 240.57,100.73 240.56,98.35 235.94,94.08 233.53,94.08 227.64,98.09 202.74,98.09 201.93,97.28 201.93,90.09 197.54,85.7 164.49,85.7 162.36,83.57
GND on Top: 155.38,170.85 149.28,170.79 149.28,161.61 154.98,161.59 154.98,168.99 155.38,169.89
GND on Top: 21.08,209.47 21.18,205.07 20.38,204.77 20.38,201.87 15.18,201.97 15.16,209.47
GND on Top: 223.38,212.97 223.38,207.77 225.28,207.77 225.28,212.97
GND on Top: 38.58,155.37 40.28,155.37 40.28,156.27 47.26,156.27 47.26,163.07 38.58,163.07
GND on Top: 162.25,188.41 169.33,188.39 169.38,183.96 162.3,183.78 162.25,188.41
GND on Top: 134.38,202.27 134.08,189.17 130.38,189.17 130.3,200.96 131.75,202.11
GND on Top: 188.38,214.87 192.48,214.97 192.48,223.97 188.48,223.97 188.38,223.47
GND on Top: 148.18,208.84 148.68,212.06 151.4,213.14 153.7,213.69 171.25,213.11 170.75,208.44 151.38,208.66 148.15,208.81
GND on Top: 139.48,194.37 139.48,187.77 142.68,187.77 142.48,194.27
GND on Top: 165.08,177.37 165.38,171.47 169.18,171.47 169.58,173.97 169.48,180.74 165.1,180.71 165.08,177.27
GND on Top: 162.08,197.17 162.08,190.57 195.88,190.57 195.88,197.37
GND on Bottom: 148.28,159.87 131.98,155.57 131.98,139.87 71.28,136.87 63.08,139.87 40.88,140.77 28.48,190.47 34.58,197.17 44.98,202.87 53.08,201.87 67.58,198.27 75.68,195.27 98.18,195.17 114.08,195.57 118.48,198.97 136.68,200.37
GND on Bottom: -8.22,219.17 253.58,235.37 238.18,209.97 226.28,209.47 224.91,198.29 194.55,190.57 31.18,190.47
GND on Bottom: 259.68,22.21 260.18,-3.29 110.78,-3.19 71.98,8.51 -1.22,93.91 -11.92,172.31 -9.02,220.31 9.88,221.51 30.38,191.61 46.38,113.61 60.38,80.61 60.38,55.61 79.73,34.74 95.28,34.21 107.98,20.81 259.88,22.11
GND on Bottom: 187.08,190.57 186.38,159.47 148.28,159.87 139.68,169.07 130.98,177.87 131.08,190.47 131.08,190.57
GND on In2.Cu: 260.01,21.34 259.81,-2.04 117.08,-1.26 80.03,10.06 48.91,40.46 4.16,94.49 1.71,140.76 -6.49,189.89 -3.92,220.31 48.76,222.94 75.78,206.64 114.31,206.64 145.78,219.24 169.48,229.99 224.11,230.09 251.83,222.51 251.58,207.26 223.68,207.51 223.76,198.64 199.78,198.66 185.73,181.36 185.81,160.61 149.56,160.61 133.56,154.09 133.56,124.26 145.41,116.59 145.36,104.49 75.29,104.5 60.38,86.79 60.36,55.19 79.48,34.61 95.21,34.24 107.38,20.81 260.03,21.34
